# Altium PCB higgs.PcbDoc (part 14 of 25)
Units mm, origin at the board's own origin, x right, y up, seen from the top; angles counter-clockwise.
Board outline 160 x 160 mm, 15 copper layers (TOP, P1(GND), S1(V), P2(GND), S2(H), P3(GND), S3(V12/V2V5), S4(VDDR), P4(GND), S5(V), P5(GND), S6(H), P6(GND), P1(GND) (Plane1), BOT), stack 3.262 mm thick; 1283 components, 2419 nets, 11066 pads, 5487 vias.
Unrouted connection lines stored in the file: 239.
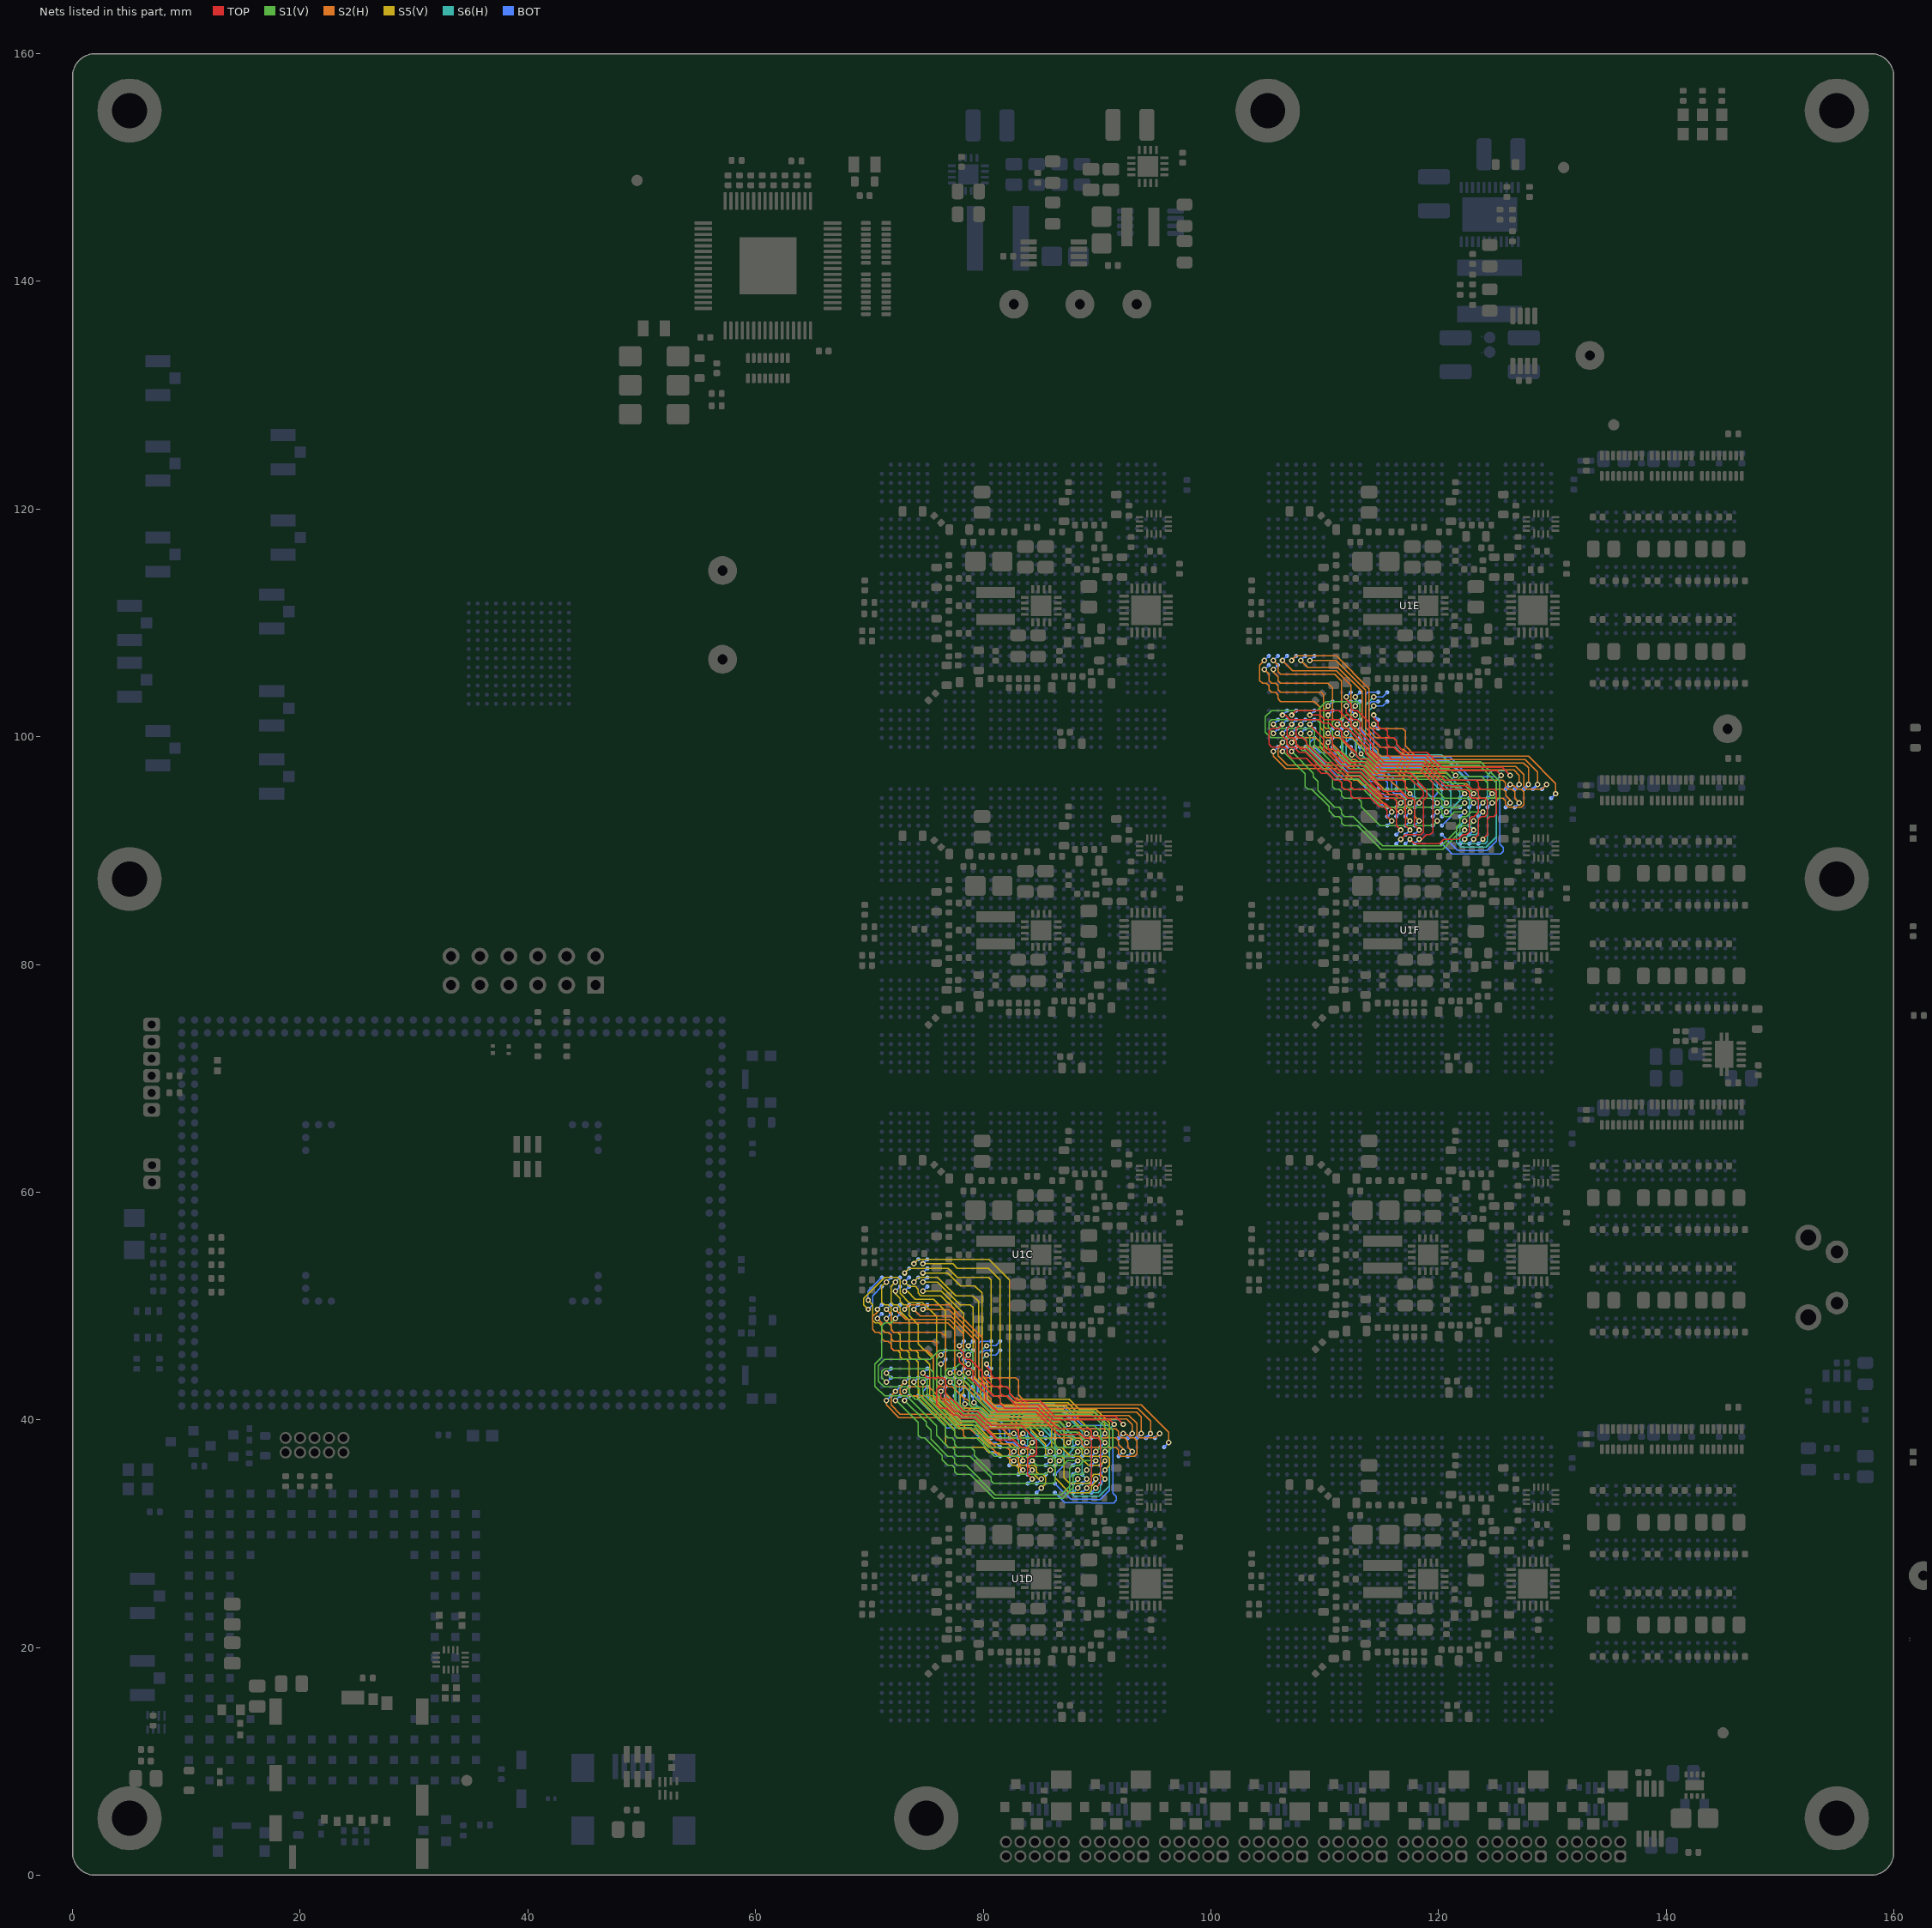
[diagram p27: the nets of this part, all layers, seen from the top]

## Via types
v1: diameter 0.483, hole 0.254, TOP to BOT, tented both sides, 5146 vias
v2: diameter 0.457, hole 0.254, TOP to BOT, tented both sides, 278 vias
v3: diameter 0.5, hole 0.25, TOP to BOT, 50 vias
v4: diameter 0.483/0/0/0/0.483/0/0/0.483 (per signal layer), hole 0.254, TOP to BOT, tented both sides, 7 vias
v5: diameter 0.483, hole 0.254, TOP to BOT, tented bottom, 5 vias
v6: diameter 0.483, hole 0.254, TOP to BOT, 1 vias

## Nets (pads, with @x,y where several pads share a name; then routed paths per layer and width w, separated by ;. In a path a pad name is that pad's centre, name@x,y a point inside that pad or via, vN(x,y) a via of type N, cw(c..) or ccw(c..) an arc to the next point about the centre after c; other vN are vias at no path point) (continued)
IL12_22.LR.G0.D3_P: U1C.F29 U1D.U6 | length 18.5
  TOP w0.102: v1(74.7,44.1) 75.1,43.7 76.136,43.7 76.136,43.699 76.465,43.699 76.699,43.465 76.699,41.983 76.883,41.799 77.252,41.799 78.328,40.723 79.528,40.723 80.747,39.504 83.361,39.504 84.699,38.165 84.699,37.035 84.465,36.801 84.136,36.801 83.901,36.565 83.901,35.765 83.9,35.764 83.9,35.2 v1(84.3,34.8)
  BOT w0.102: v1(74.7,44.1) U1C.F29@75.1,44.5 ; U1D.U6@83.9,34.4 v1(84.3,34.8)
IL12_22.LR.G0.D4_N: U1C.D31 U1D.U5 | length 16.3
  S2(H) w0.102: v1(73.1,42.5) 73.499,42.899 75.227,42.899 76.245,41.881 76.723,41.881 77.908,40.696 78.577,40.696 78.782,40.491 79.549,40.491 80.263,39.777 81.159,39.777 83.2,37.736 83.336,37.599 83.665,37.599 83.899,37.365 83.899,36.003 84.3,35.602 v1(84.3,35.6)
  BOT w0.102: v1(73.1,42.5) U1C.D31@73.5,42.9 ; U1D.U5@83.9,35.2 v1(84.3,35.6)
IL12_22.LR.G0.D4_P: U1C.D30 U1D.T4 | length 15.9
  S2(H) w0.102: v1(73.1,43.3) 72.7,42.9 72.7,42.336 72.935,42.101 75.595,42.101 76.119,41.576 76.597,41.576 77.782,40.391 78.451,40.391 78.656,40.187 79.423,40.187 81.705,37.904 82.596,37.904 83.101,37.399 83.101,37.035 83.5,36.636 v1(83.5,36.4)
  BOT w0.102: v1(73.1,43.3) U1C.D30@73.5,43.7 ; U1D.T4@83.1,36 v1(83.5,36.4)
IL12_22.LR.G0.S_N: U1C.C31 U1D.T5 | length 17
  S2(H) w0.102: v1(72.3,42.5) 71.899,42.099 71.899,41.332 72.726,40.505 77.238,40.505 78.543,39.199 78.865,39.199 79.292,38.773 79.96,38.773 81.134,37.599 82.065,37.599 82.301,37.364 82.301,37.035 82.535,36.801 82.864,36.801 83.101,36.564 83.101,36.001 83.5,35.602 v1(83.5,35.6)
  BOT w0.102: v1(72.3,42.5) U1C.C31@72.7,42.9 ; U1D.T5@83.1,35.2 v1(83.5,35.6)
IL12_22.LR.G0.S_P: U1C.B32 U1D.R4 | length 15
  S2(H) w0.102: v1(71.5,41.7) 71.5,41.3 72.6,40.2 77.111,40.2 78.299,39.012 78.299,38.601 78.499,38.401 79.901,38.401 81.501,36.801 81.999,36.801 82.001,36.799 82.065,36.799 82.464,36.4 v1(82.7,36.4)
  BOT w0.102: v1(71.5,41.7) U1C.B32@71.9,42.1 ; U1D.R4@82.3,36 v1(82.7,36.4)
IL12_22.LR.G1.D0_N: U1C.E32 U1D.P3 | length 10
  BOT w0.102: U1C.E32@74.3,42.1 74.3,41.774 76.802,39.272 78.966,39.272 79.119,39.119 79.119,38.985 80.002,38.102 80.002,37.798 80.299,37.501 80.299,37.3 80.399,37.2 80.866,37.2 81.265,36.8 U1D.P3@81.5,36.8
IL12_22.LR.G1.D0_P: U1C.F31 U1D.P2 | length 9.8
  BOT w0.102: U1C.F31@75.1,42.9 74.7,42.5 74.7,41.935 77.058,39.577 79.092,39.577 79.434,39.234 79.434,39.1 80.534,38 81.1,38 U1D.P2@81.5,37.6
IL12_22.LR.G1.D1_N: U1C.H32 U1D.P1 | length 7
  BOT w0.102: U1C.H32@76.7,42.1 76.742,42.1 77.291,41.552 77.291,41.083 78.187,40.187 79.345,40.187 80.145,39.386 81.114,39.386 81.5,39 U1D.P1@81.5,38.4
IL12_22.LR.G1.D1_P: U1C.F32 U1D.N1 | length 7.6
  BOT w0.102: U1C.F32@75.1,42.1 75.594,41.606 76.806,41.606 76.986,41.426 76.986,40.957 78.061,39.882 79.218,39.882 80.019,39.081 80.419,39.081 80.7,38.8 U1D.N1@80.7,38.4
IL12_22.LR.G1.D2_N: U1C.H30 U1D.U3 | length 13.4
  TOP w0.102: v1(76.3,43.3) 76.3,43.064 75.901,42.665 75.901,41.335 76.216,41.019 76.8,41.019 77.401,40.418 77.77,40.418 78.075,40.114 79.275,40.114 81.18,38.209 82.687,38.209 83.295,37.601 83.899,37.601 v1(84.3,37.2)
  BOT w0.102: v1(76.3,43.3) U1C.H30@76.7,43.7 ; U1D.U3@83.9,36.8 v1(84.3,37.2)
IL12_22.LR.G1.D2_P: U1C.H31 U1D.U2 | length 10.8
  TOP w0.102: v1(76.3,42.5) 76.3,41.951 77.528,40.723 77.897,40.723 78.201,40.418 79.401,40.418 80.621,39.199 82.865,39.199 83.099,38.965 83.099,38.401 v1(83.5,38)
  BOT w0.102: v1(76.3,42.5) U1C.H31@76.7,42.9 ; v1(83.5,38) U1D.U2@83.9,37.6
IL12_22.LR.G1.D3_N: U1C.K30 U1D.T3 | length 12
  S6(H) w0.102: v1(77.9,43.3) 77.9,41.336 78.235,41.001 78.704,41.001 79.318,40.387 79.451,40.387 80.257,39.581 83.284,39.581 83.899,38.965 83.899,37.599 v1(83.5,37.2)
  BOT w0.102: v1(77.9,43.3) U1C.K30@78.3,43.7 ; U1D.T3@83.1,36.8 v1(83.5,37.2)
IL12_22.LR.G1.D3_P: U1C.J30 U1D.R3 | length 11.8
  S6(H) w0.102: v1(77.1,43.3) 77.595,42.805 77.595,41.209 78.108,40.696 78.577,40.696 79.192,40.082 79.325,40.082 80.131,39.276 82.887,39.276 83.1,39.063 83.1,37.6 v1(82.7,37.2)
  BOT w0.102: v1(77.1,43.3) U1C.J30@77.5,43.7 ; U1D.R3@82.3,36.8 v1(82.7,37.2)
IL12_22.LR.G1.D4_N: U1C.L32 U1D.Y3 | length 10.8
  S6(H) w0.102: v1(79.2,41.5) 80.51,40.19 84.274,40.19 86.301,38.164 86.301,37.599 v1(86.7,37.2)
  BOT w0.102: U1C.L32@79.1,42.1 79.1,41.695 79.104,41.692 79.104,41.596 v1(79.2,41.5) ; U1D.Y3@86.3,36.8 v1(86.7,37.2)
IL12_22.LR.G1.D4_P: U1C.K32 U1D.W3 | length 10.8
  S6(H) w0.102: v1(78.4,41.4) 78.736,41.4 79.444,40.691 79.578,40.691 80.383,39.886 83.6,39.886 84.204,39.282 84.204,38.896 v1(85.9,37.2)
  BOT w0.102: U1C.K32@78.3,42.1 78.3,41.5 v1(78.4,41.4) ; U1D.W3@85.5,36.8 v1(85.9,37.2)
IL12_22.LR.G1.S_N: U1C.J32 U1D.T2 | length 8.4
  BOT w0.102: U1C.J32@77.5,42.1 77.595,42.005 77.595,41.209 78.313,40.491 79.471,40.491 80.272,39.69 81.241,39.69 81.9,39.031 81.9,38.235 82.135,38 82.7,38 U1D.T2@83.1,37.6
IL12_22.LR.G1.S_P: U1C.K31 U1D.R1 | length 7.7
  BOT w0.102: U1C.K31@78.3,42.9 77.9,42.5 77.9,41.335 78.439,40.796 79.597,40.796 80.398,39.995 81.367,39.995 82.3,39.062 U1D.R1@82.3,38.4
IL12_22.LR.G2.D0_N: U1C.K26 U1D.AD7 | length 22.8
  TOP w0.102: v1(77.9,46.5) 77.9,46.264 78.301,45.864 78.301,45.535 78.535,45.301 78.798,45.301 78.8,45.299 78.865,45.299 79.901,44.264 79.901,43.135 80.935,42.101 81.264,42.101 81.501,41.864 81.501,41.427 81.9,41.028 84.73,41.028 86.558,39.2 89.264,39.2 89.501,38.964 89.501,38.635 89.735,38.401 90.064,38.401 90.299,38.165 90.299,34.401 89.9,34.002 v1(89.9,34)
  BOT w0.102: v1(77.9,46.5) U1C.K26@78.3,46.9 ; U1D.AD7@89.5,33.6 v1(89.9,34)
IL12_22.LR.G2.D0_P: U1C.K27 U1D.AC7 | length 21.3
  TOP w0.102: v1(77.9,45.7) 77.9,45.136 78.535,44.501 78.864,44.501 79.099,44.265 79.099,43.458 80.209,42.349 80.209,41.766 81.252,40.723 84.603,40.723 86.623,38.704 88.592,38.704 88.896,38.399 89.265,38.399 89.499,38.165 89.499,34.399 v1(89.1,34)
  BOT w0.102: v1(77.9,45.7) U1C.K27@78.3,46.1 ; U1D.AC7@88.7,33.6 v1(89.1,34)
IL12_22.LR.G2.D1_N: U1C.L29 U1D.W5 | length 33.1
  S1(V) w0.102: v1(78.7,44.1) 79.099,44.499 79.099,45.865 78.865,46.099 76.135,46.099 75.335,45.3 71.335,45.3 70.796,44.761 70.796,43.4 71.297,42.899 73.265,42.899 73.499,42.665 73.499,42.336 74.045,41.79 74.29,41.79 76.701,39.379 76.701,38.635 76.935,38.401 77.264,38.401 77.499,38.165 77.499,37.835 77.733,37.601 78.935,37.601 79.236,37.3 79.236,36.86 80.896,35.199 85.499,35.199 v1(85.9,35.6)
  BOT w0.102: v1(78.7,44.1) U1C.L29@79.1,44.5 ; U1D.W5@85.5,35.2 v1(85.9,35.6)
IL12_22.LR.G2.D1_P: U1C.K28 U1D.Y5 | length 21.7
  S1(V) w0.102: v1(78.7,44.9) 77.9,44.9 77.501,44.501 76.936,44.501 76.701,44.265 76.701,43.935 76.936,43.699 77.265,43.699 77.499,43.465 77.499,41.736 78.439,40.796 79.606,40.796 80.212,40.19 86.91,40.19 v1(87.5,39.6)
  BOT w0.102: U1C.K28@78.3,45.3 v1(78.7,44.9) ; U1D.Y5@86.3,35.2 87.1,36 87.1,39.2 v1(87.5,39.6)
IL12_22.LR.G2.D2_N: U1C.N26 U1D.Y6 | length 29.4
  BOT w0.102: U1C.N26@80.7,46.9 79.8,46.9 79.596,46.696 79.596,43.808 79.995,43.409 79.995,41.808 80.894,40.91 86.89,40.91 88.601,39.199 90.865,39.199 91.099,38.965 91.099,33.834 90.271,33.006 89.6,33.006 89.595,33.011 87.689,33.011 U1D.Y6@86.3,34.4
IL12_22.LR.G2.D2_P: U1C.N27 U1D.Y7 | length 29.4
  BOT w0.102: U1C.N27@80.7,46.1 80.136,46.1 79.901,45.865 79.901,43.935 80.3,43.535 80.3,41.934 81.02,41.214 87.017,41.214 88.727,39.504 90.992,39.504 91.404,39.092 91.404,33.561 91.699,33.265 91.699,32.935 91.465,32.701 89.474,32.701 89.468,32.706 87.194,32.706 U1D.Y7@86.3,33.6
IL12_22.LR.G2.D3_N: U1C.P26 U1D.AC6 | length 20.6
  S6(H) w0.102: v1(80.3,46.5) 79.596,45.796 79.596,42.535 81.026,41.105 85.391,41.105 88.096,38.399 88.465,38.399 88.699,38.165 88.699,35.201 v1(89.1,34.8)
  BOT w0.102: v1(80.3,46.5) 81.1,46.5 U1C.P26@81.5,46.9 ; U1D.AC6@88.7,34.4 v1(89.1,34.8)
IL12_22.LR.G2.D3_P: U1C.P27 U1D.AB7 | length 21.5
  S6(H) w0.102: v1(80.3,45.7) 79.901,45.301 79.901,43.135 80.935,42.101 82.2,42.101 82.891,41.41 86.255,41.41 88.701,38.964 88.701,38.635 88.935,38.401 89.265,38.401 89.499,38.167 89.499,34.635 89.265,34.401 88.701,34.401 v1(88.3,34)
  BOT w0.102: v1(80.3,45.7) 81.1,45.7 U1C.P27@81.5,46.1 ; U1D.AB7@87.9,33.6 v1(88.3,34)
IL12_22.LR.G2.D4_N: U1C.L27 U1D.W4 | length 17.4
  S6(H) w0.102: v1(78.7,45.7) 78.299,45.299 78.299,42.97 80.774,40.495 84.4,40.495 86.2,38.695 86.569,38.695 87.099,38.165 87.099,37.035 86.865,36.801 86.301,36.801 v1(85.9,36.4)
  BOT w0.102: v1(78.7,45.7) U1C.L27@79.1,46.1 ; U1D.W4@85.5,36 v1(85.9,36.4)
IL12_22.LR.G2.D4_P: U1C.L26 U1D.Y4 | length 18.2
  S6(H) w0.102: v1(78.7,46.5) 78.7,46.264 79.099,45.865 79.099,42.601 80.9,40.8 84.527,40.8 86.327,39 87.064,39 87.899,38.165 87.899,37.404 86.895,36.4 v1(86.7,36.4)
  BOT w0.102: v1(78.7,46.5) U1C.L26@79.1,46.9 ; U1D.Y4@86.3,36 v1(86.7,36.4)
IL12_22.LR.G2.S_N: U1C.N29 U1D.AB6 | length 27.9
  TOP w0.102: v1(80.3,44.9) 80.3,44.664 80.699,44.265 80.699,43.937 80.935,43.701 81.264,43.701 81.5,43.464 81.5,43.136 81.736,42.899 82.065,42.899 82.299,42.665 82.299,42.336 82.998,41.638 84.982,41.638 86.316,40.304 91.614,40.304 v1@92.309,39.609
  S6(H) w0.102: v1(88.3,34.8) 87.901,34.401 87.901,33.835 88.136,33.6 90.064,33.6 90.299,33.835 90.299,39.599 90.699,39.999 91.901,39.999 v1(92.3,39.6)
  BOT w0.102: v1(80.3,44.9) U1C.N29@80.7,44.5 ; U1D.AB6@87.9,34.4 v1(88.3,34.8)
IL12_22.LR.G2.S_P: U1C.N30 U1D.AB5 | length 26.5
  TOP w0.102: v1(80.3,44.1) 80.3,43.536 80.935,42.901 81.264,42.901 81.499,42.665 81.499,42.336 81.735,42.101 82.064,42.101 82.832,41.333 84.856,41.333 86.19,39.999 91.118,39.999 v1@91.509,39.609
  S6(H) w0.102: v1(88.3,35.6) 87.596,34.896 87.596,33.708 88.009,33.295 90.191,33.295 91.099,34.204 91.099,39.199 v1(91.5,39.6)
  BOT w0.102: v1(80.3,44.1) U1C.N30@80.7,43.7 ; U1D.AB5@87.9,35.2 v1(88.3,35.6)
IL12_22.LR.G3.D0_N: U1C.E30 U1D.AB4 | length 19.5
  S1(V) w0.102: v1(73.9,43.3) 73.9,43.18 74.395,42.685 74.395,42.116 77.501,39.01 77.501,38.635 77.736,38.4 79.416,38.4 81.017,36.799 86.065,36.799 86.301,36.564 86.301,36.235 86.535,36.001 87,36.001 87.399,36.4 v1(88.3,36.4)
  BOT w0.102: v1(73.9,43.3) U1C.E30@74.3,43.7 ; U1D.AB4@87.9,36 v1(88.3,36.4)
IL12_22.LR.G3.D0_P: U1C.F30 U1D.AB3 | length 18.4
  S1(V) w0.102: v1(74.7,43.3) 74.7,42.242 77.67,39.272 78.975,39.272 80.647,37.6 86.105,37.6 86.299,37.405 86.299,37.3 86.301,37.298 86.301,37.035 86.535,36.801 86.998,36.801 87,36.799 87.899,36.799 v1(88.3,37.2)
  BOT w0.102: v1(74.7,43.3) U1C.F30@75.1,43.7 ; U1D.AB3@87.9,36.8 v1(88.3,37.2)
IL12_22.LR.G3.D1_N: U1C.D32 U1D.AD4 | length 24.4
  S1(V) w0.102: v1(73.099,41.699) 74.998,39.8 74.998,39.497 75.404,39.092 75.404,38.292 76.896,36.799 77.265,36.799 77.499,36.565 77.499,36.302 77.501,36.3 77.501,36.235 77.735,36.001 78.495,36.001 81.091,33.405 86.849,33.405 87.596,34.152 87.596,35.694 87.901,35.999 88.464,35.999 88.864,36.4 v1(89.9,36.4)
  BOT w0.102: v1(73.099,41.699) U1C.D32@73.5,42.1 ; U1D.AD4@89.5,36 v1(89.9,36.4)
IL12_22.LR.G3.D1_P: U1C.C32 U1D.AC5 | length 24.2
  S1(V) w0.102: v1@72.299,41.699 72.365,41.699 74.299,39.765 74.299,38.636 74.536,38.399 74.865,38.399 76.394,36.87 76.394,36.501 76.895,36 77.264,36 77.501,35.764 77.501,35.435 77.735,35.201 78.864,35.201 80.964,33.1 86.975,33.1 87.901,34.026 87.901,35.102 87.998,35.199 88.699,35.199 v1(89.1,35.6)
  BOT w0.102: v1@72.299,41.699 U1C.C32@72.7,42.1 ; U1D.AC5@88.7,35.2 v1(89.1,35.6)
  other v1: 72.3,41.7
IL12_22.LR.G3.D2_N: U1C.L30 U1D.Y1 | length 10.6
  BOT w0.102: U1C.L30@79.1,43.7 79.5,43.3 79.5,42 79.691,41.809 79.691,41.609 80.695,40.605 84.695,40.605 86.3,39 U1D.Y1@86.3,38.4
IL12_22.LR.G3.D2_P: U1C.L31 U1D.W2 | length 11.4
  BOT w0.102: U1C.L31@79.1,42.9 78.7,42.5 78.7,41.9 78.795,41.805 78.795,41.569 78.799,41.565 78.799,41.336 79.035,41.101 79.768,41.101 80.569,40.3 84.569,40.3 85.9,38.969 85.9,38 U1D.W2@85.5,37.6
IL12_22.LR.G3.D3_N: U1C.K29 U1D.AE3 | length 19.6
  S1(V) w0.102: v1(77.9,44.1) 78.136,44.1 79.264,42.971 79.264,42 80.464,40.8 89.695,40.8 91.404,39.092 91.404,37.668 90.936,37.2 v1(90.7,37.2)
  BOT w0.102: v1(77.9,44.1) U1C.K29@78.3,44.5 ; U1D.AE3@90.3,36.8 v1(90.7,37.2)
IL12_22.LR.G3.D3_P: U1C.J29 U1D.AD3 | length 20.9
  S1(V) w0.102: v1(77.1,44.1) 77.336,44.1 77.736,43.7 78.105,43.7 78.799,43.005 78.799,41.3 78.998,41.101 79.732,41.101 80.338,40.495 89.569,40.495 91.099,38.965 91.099,37.835 90.864,37.6 90.3,37.6 v1(89.9,37.2) v1@89.9,37.202
  BOT w0.102: v1(77.1,44.1) U1C.J29@77.5,44.5 ; U1D.AD3@89.5,36.8 v1(89.9,37.2)
IL12_22.LR.G3.D4_N: U1C.H28 U1D.AE2 | length 20.3
  S1(V) w0.102: v1(76.3,44.9) 76.3,43.864 76.699,43.465 76.699,42.105 78.313,40.491 79.48,40.491 80.086,39.886 86.65,39.886 87.335,39.201 87.665,39.201 87.937,39.472 89.792,39.472 90.299,38.965 90.299,38.801 90.301,38.799 90.301,38.401 90.7,38.002 v1(90.7,38)
  BOT w0.102: v1(76.3,44.9) U1C.H28@76.7,45.3 ; U1D.AE2@90.3,37.6 v1(90.7,38)
IL12_22.LR.G3.D4_P: U1C.H27 U1D.AC2 | length 19.7
  S1(V) w0.102: v1(76.3,45.7) 75.901,45.301 75.901,42.335 78.049,40.187 79.354,40.187 79.959,39.581 86.524,39.581 87.208,38.896 88.204,38.896 v1(89.1,38)
  BOT w0.102: v1(76.3,45.7) U1C.H27@76.7,46.1 ; U1D.AC2@88.7,37.6 v1(89.1,38)
IL12_22.LR.G3.S_N: U1C.B30 U1D.AB2 | length 23.4
  S1(V) w0.102: v1(71.5,43.3) 71.101,43.699 71.101,44.265 71.335,44.499 72.299,44.499 ; v1(88.3,38) 87.709,38.591 87.082,38.591 86.397,39.276 79.833,39.276 79.227,39.882 77.923,39.882 75.596,42.208 75.596,44.196 75.292,44.5 72.3,44.5 ; 72.299,44.499 72.3,44.5
  BOT w0.102: v1(71.5,43.3) U1C.B30@71.9,43.7 ; U1D.AB2@87.9,37.6 v1(88.3,38)
IL12_22.LR.G3.S_P: U1C.B29 U1D.AC3 | length 22.3
  S1(V) w0.102: v1(71.5,44.1) 71.9,43.7 74.864,43.7 75.099,43.465 75.099,42.274 77.797,39.577 79.101,39.577 80.277,38.401 85.735,38.401 86.535,37.601 86.798,37.601 86.8,37.599 88.701,37.599 v1(89.1,37.2)
  BOT w0.102: v1(71.5,44.1) U1C.B29@71.9,44.5 ; U1D.AC3@88.7,36.8 v1(89.1,37.2)
IL12_22.TB.G8.D0_N: U1C.B22 U1D.AH1 | length 30.4
  S2(H) w0.102: v1(71.5,49.7) 71.901,49.299 71.901,48.735 72.136,48.5 76.9,48.5 77.5,47.9 77.5,43.936 77.735,43.701 78.064,43.701 80.768,40.996 81.873,40.996 81.874,40.995 82.567,40.995 83.48,40.082 92.618,40.082 93.1,39.6 v1(93.1,38.8)
  BOT w0.102: v1(71.5,49.7) U1C.B22@71.9,50.1
  BOT w0.254: U1D.AH1@92.7,38.4 v1(93.1,38.8)
IL12_22.TB.G8.D0_P: U1C.A22 U1D.AG1 | length 36.1
  S2(H) w0.102: v1(70.7,49.7) 70.7,49.464 70.3,49.064 70.3,47.936 70.536,47.699 70.865,47.699 71.099,47.465 71.099,47.136 71.336,46.899 71.665,46.899 71.899,46.665 71.899,46.601 71.901,46.599 71.901,46.335 72.135,46.101 75.095,46.101 75.596,45.6 75.596,43.808 75.901,43.504 75.901,43.135 76.136,42.899 76.465,42.899 76.699,42.665 76.699,42.336 78.035,41.001 78.704,41.001 78.908,40.796 79.675,40.796 80.39,40.082 81.3,40.082 81.301,40.081 82.188,40.081 83.1,39.169 83.1,38.867 83.101,38.866 83.101,38.635 83.335,38.401 83.599,38.401 83.6,38.4 87.8,38.4 ; 87.801,38.399 88.465,38.399 88.699,38.165 88.699,37.902 88.701,37.9 88.701,37.835 88.935,37.601 89.735,37.601 89.736,37.599 91.665,37.599 91.899,37.365 91.899,37.101 91.901,37.099 91.901,37.035 92.135,36.801 93.265,36.801 93.499,37.035 93.499,38 93.499,38.165 93.265,38.399 92.936,38.399 92.631,38.705 92.395,38.705 v1(92.3,38.8)
  BOT w0.102: v1(70.7,49.7) U1C.A22@71.1,50.1
  BOT w0.254: U1D.AG1@91.9,38.4 v1(92.3,38.8)
IL12_22.TB.G8.D1_N: U1C.D22 U1D.AM2 | length 32.7
  S2(H) w0.102: v1(73.1,49.7) 73.499,50.099 77.025,50.099 79.901,47.223 79.901,46.4 79.901,44.9 79.901,44.265 79.901,43.935 80.135,43.701 82.864,43.701 83.099,43.465 83.099,42.187 83.985,41.301 93.899,41.301 96.3,38.9 v1(96.3,38)
  BOT w0.102: v1(73.1,49.7) U1C.D22@73.5,50.1 ; U1D.AM2@95.9,37.6 v1(96.3,38)
IL12_22.TB.G8.D1_P: U1C.C22 U1D.AL1 | length 32.1
  S2(H) w0.102: v1(72.3,49.7) 73.195,48.805 77.026,48.805 78.3,47.531 78.3,43.936 78.535,43.701 78.842,43.701 80.701,41.842 80.701,41.535 80.935,41.301 81.999,41.301 82,41.3 82.693,41.3 83.607,40.387 92.8,40.387 93.5,39.687 93.5,38.8 93.501,38.799 93.501,38.635 93.736,38.4 95.1,38.4 v1(95.5,38.8)
  BOT w0.102: v1(72.3,49.7) U1C.C22@72.7,50.1 ; U1D.AL1@95.1,38.4 v1(95.5,38.8)
IL12_22.TB.G8.D2_N: U1C.F22 U1D.AK1 | length 28.4
  S2(H) w0.102: v1(74.7,49.7) 76.993,49.7 79.596,47.097 79.596,43.808 80.504,42.901 82.064,42.901 82.299,42.665 82.299,42.337 82.726,41.91 82.946,41.91 83.859,40.996 93.604,40.996 94.7,39.9 v1(94.7,38.8)
  BOT w0.102: v1(74.7,49.7) U1C.F22@75.1,50.1
  BOT w0.254: U1D.AK1@94.3,38.4 v1(94.7,38.8)
IL12_22.TB.G8.D2_P: U1C.E22 U1D.AJ1 | length 28.4
  S2(H) w0.102: v1(73.9,49.7) 74.49,49.11 77.153,49.11 79.291,46.971 79.291,43.682 80.873,42.101 82.104,42.101 82.6,41.605 82.819,41.605 83.733,40.691 93.478,40.691 93.9,40.269 v1(93.9,38.8)
  BOT w0.102: v1(73.9,49.7) U1C.E22@74.3,50.1
  BOT w0.254: U1D.AJ1@93.5,38.4 v1(93.9,38.8)
IL12_22.TB.G8.D3_N: U1C.B23 U1D.AH3 | length 30.6
  S2(H) w0.102: v1(71.5,48.9) 71.5,48.664 71.899,48.265 71.899,48.001 71.901,47.999 71.901,47.935 72.136,47.7 76.299,47.7 76.701,47.298 76.701,43.935 76.935,43.701 77.264,43.701 77.501,43.464 77.501,43.135 77.735,42.901 78.432,42.901 80.642,40.691 81.747,40.691 81.748,40.69 82.441,40.69 83.354,39.777 86.759,39.777 87.335,39.201 91.3,39.201 91.302,39.199 91.665,39.199 91.899,38.965 91.899,38.636 92.136,38.4 92.464,38.4 92.699,38.165 92.699,38.001 92.701,37.999 92.701,37.601 93.1,37.202 v1(93.1,37.2)
  BOT w0.102: v1(71.5,48.9) U1C.B23@71.9,49.3 ; U1D.AH3@92.7,36.8 v1(93.1,37.2)
IL12_22.TB.G8.D3_P: U1C.A23 U1D.AG3 | length 30.4
  S2(H) w0.102: v1(70.7,48.9) 71.099,48.501 71.099,47.936 71.336,47.699 71.665,47.699 71.901,47.464 71.901,47.135 72.135,46.901 75.699,46.901 75.901,46.699 75.901,44.265 75.901,43.935 76.136,43.699 76.465,43.699 76.699,43.465 76.699,43.136 76.935,42.901 77.304,42.901 78.405,41.799 78.565,41.799 78.799,41.565 78.799,41.336 79.035,41.101 79.801,41.101 80.516,40.387 81.62,40.387 81.621,40.386 82.314,40.386 83.228,39.472 86.632,39.472 87.208,38.896 88.439,38.896 88.936,38.4 91.6,38.4 ; 91.601,38.399 91.665,38.399 91.901,38.164 91.901,37.835 92.3,37.436 v1(92.3,37.2)
  BOT w0.102: v1(70.7,48.9) U1C.A23@71.1,49.3 ; U1D.AG3@91.9,36.8 v1(92.3,37.2)
IL12_22.TB.G13.C_N: U1C.F17 U1D.AE1 | length 29.6
  S5(V) w0.102: v1(74.7,53.7) 77.336,53.7 77.735,53.301 80.464,53.301 81.499,52.265 81.499,52.101 81.5,42.336 81.735,42.101 81.999,42.101 82.001,42.099 82.065,42.099 82.668,41.497 87.426,41.497 88.327,40.595 89.8,40.595 90.7,39.695 v1(90.7,38.8)
  BOT w0.102: v1(74.7,53.7) U1C.F17@75.1,54.1 ; U1D.AE1@90.3,38.4 v1(90.7,38.8)
IL12_22.TB.G13.C_P: U1C.E17 U1D.AD1 | length 32.8
  S5(V) w0.102: v1(73.9,53.7) 74.3,54.1 80.5,54.1 82.299,52.301 82.299,42.336 82.834,41.802 87.552,41.802 88.453,40.9 89.926,40.9 91.099,39.727 91.099,38.635 90.865,38.401 90.299,38.401 v1(89.9,38.8)
  BOT w0.102: v1(73.9,53.7) U1C.E17@74.3,54.1 ; U1D.AD1@89.5,38.4 v1(89.9,38.8)
IL12_22.TB.G13.D0_N: U1C.F18 U1D.AC1 | length 26.5
  S5(V) w0.102: v1(74.7,52.9) 76.905,52.9 78.037,51.768 79.268,51.768 79.901,51.135 79.901,44.1 79.901,43.836 80.394,43.342 80.394,41.841 81.348,40.887 87.013,40.887 v1(89.1,38.8)
  BOT w0.102: v1(74.7,52.9) U1C.F18@75.1,53.3 ; U1D.AC1@88.7,38.4 v1(89.1,38.8)
IL12_22.TB.G13.D0_P: U1C.D18 U1D.AB1 | length 32.3
  S5(V) w0.102: v1(73.1,52.9) v1(73.1,52.9) 73.501,53.299 73.899,53.299 ; 73.9,53.3 76.936,53.3 77.735,52.501 80.464,52.501 80.699,52.265 80.699,42.6 80.701,42.598 80.701,42.335 80.936,42.099 81.265,42.099 81.5,41.864 81.5,41.536 81.844,41.192 87.299,41.192 89.5,38.991 89.5,38.636 89.265,38.401 87.901,38.401 v1(87.5,38)
  BOT w0.102: v1(73.1,52.9) U1C.D18@73.5,53.3 ; v1(87.5,38) U1D.AB1@87.9,38.4
IL12_22.TB.G13.D1_N: U1C.B19 U1D.V7 | length 29.5
  S5(V) w0.102: v1(71.5,52.1) 71.101,51.701 71.101,50.335 71.336,50.099 71.665,50.099 71.899,49.865 71.899,49.701 71.901,49.699 71.901,47.935 72.135,47.701 72.464,47.701 72.701,47.464 72.701,46.335 72.935,46.101 73.098,46.101 73.1,46.099 73.265,46.099 73.501,45.864 73.501,45.535 73.736,45.299 74.065,45.299 74.301,45.064 74.301,42.344 77.499,39.146 77.499,38.636 77.736,38.4 79.695,38.4 80.496,37.599 82.065,37.599 82.299,37.365 82.299,37.035 82.28,37.016 82.496,36.799 82.865,36.799 83.099,36.565 83.099,36.236 83.336,35.999 84.465,35.999 84.699,35.765 84.699,35.401 84.9,35.2 85.264,35.2 85.499,34.965 85.499,34.399 v1(85.1,34)